# Altium PCB LST_UP.PcbDoc (part 3 of 5)
Units mil, origin at the board's own origin, x right, y up, seen from the top; angles counter-clockwise.
Board outline 4330.71 x 4330.71 mil, 2 copper layers (Top Layer, Bottom Layer), stack 50 mil thick; 469 components, 244 nets, 1341 pads, 130 vias.
Unrouted connection lines stored in the file: 12.
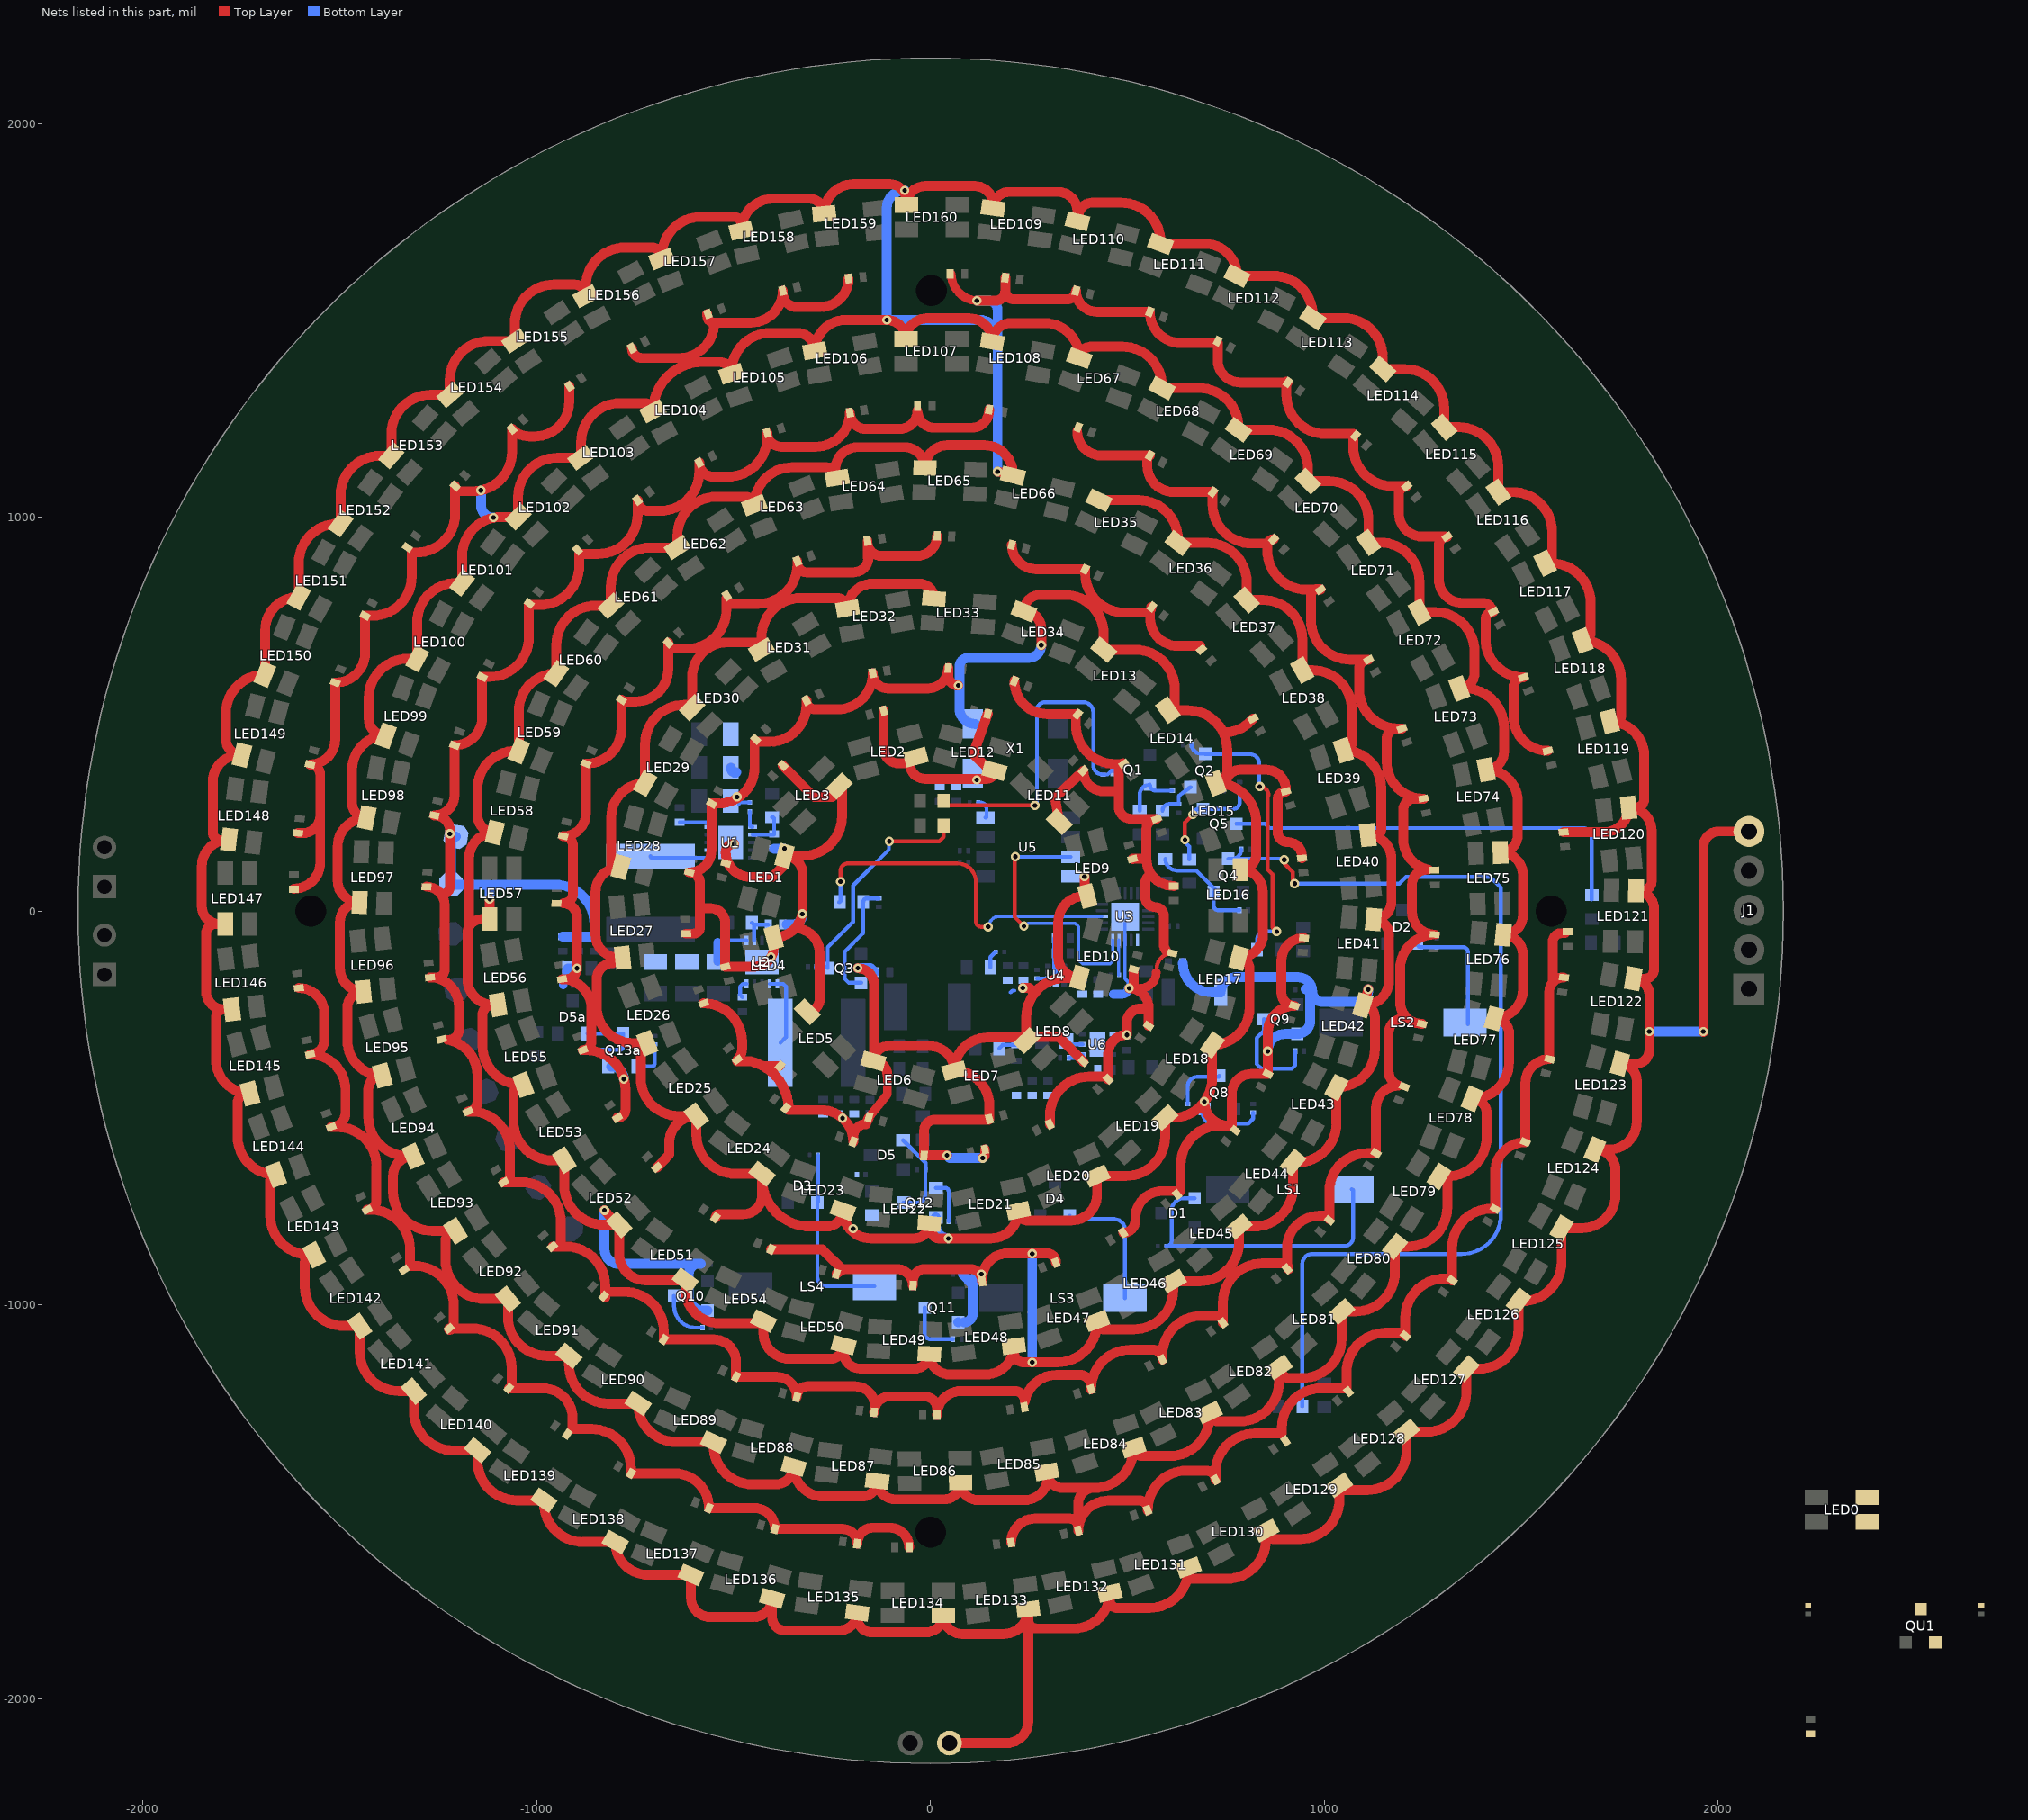
[diagram p3: the nets of this part, all layers, seen from the top]

## Via types
v1: diameter 23.62, hole 11.81, Top Layer to Bottom Layer, tented top, 95 vias
v2: diameter 23.62, hole 11.81, Top Layer to Bottom Layer, 35 vias

## Nets (pads, with @x,y where several pads share a name; then routed paths per layer and width w, separated by ;. In a path a pad name is that pad's centre, name@x,y a point inside that pad or via, vN(x,y) a via of type N, cw(c..) or ccw(c..) an arc to the next point about the centre after c; other vN are vias at no path point) (continued)
GND: C1.1 C2.1 C3.1 C4.1 C5.1 C6.1 C7.2 C8.2 C9.1 C10.1 C11.1 C12.1 C13.1 C14.2 C15.2 C16.2 C17.2 C18.2 C19.2 C20.2 C21.2 C22.2 C23.2 C24.2 C25.1 C26.1 C27.1 C28.1 C29.1 C30.1 C31.1 C32.1 C33.1 C34.1 C35.1 C36.1 C37.1 C38.1 C39.1 C40.1 C41.1 C42.1 C43.1 C44.1 C45.1 C46.1 C47.1 C48.1 C49.1 C50.1 C51.1 C52.1 C53.1 C54.1 C55.1 C56.1 C57.1 C58.1 C59.1 C60.1 C61.1 C62.1 C63.1 C64.1 C65.1 C66.1 C67.1 C68.1 C69.1 C70.1 C71.1 C72.1 C73.1 C74.1 C75.1 C76.1 C77.1 C78.1 C79.1 C80.1 C81.1 C82.1 C83.1 C84.1 C85.1 C86.1 C87.1 C88.1 C89.1 C90.1 C91.1 C92.1 C93.1 C94.1 C95.1 C96.1 C97.1 C98.1 C99.1 C100.1 C101.1 C102.1 C103.1 C104.1 C105.1 C106.1 C107.1 C108.1 C109.1 C110.1 C111.1 C112.1 C113.1 C114.1 C115.1 C116.1 C117.1 C118.1 C119.1 C120.1 C121.1 C122.1 C123.1 C124.1 C125.1 C126.1 C127.1 C128.1 C129.1 C130.1 C131.1 C132.1 C133.1 C134.1 C135.1 C136.1 C137.1 C138.1 C139.1 C140.1 C141.1 C142.1 C143.1 C144.1 C145.1 C146.1 C147.1 C148.1 C149.1 C150.1 C151.1 C152.1 C153.1 C154.1 C155.1 C156.1 C157.1 C158.1 C159.1 C160.1 C161.1 C162.1 C163.1 C164.1 C165.1 C166.1 C167.1 C168.1 C169.1 C170.1 C171.1 C172.1 C173.1 C174.1 C175.1 C176.1 C177.1 C178.1 C179.1 C180.1 C181.1 C182.1 C183.1 C184.1 C185.1 C186.1 C187.1 C188.1 C189.1 C190.1 C191.1 C192a.1 J1.5 J2.2 LED0.3 LED1.3 LED2.3 LED3.3 LED4.3 LED5.3 LED6.3 LED7.3 LED8.3 LED9.3 LED10.3 LED11.3 LED12.3 LED13.3 LED14.3 LED15.3 LED16.3 LED17.3 LED18.3 LED19.3 LED20.3 LED21.3 LED22.3 LED23.3 LED24.3 LED25.3 LED26.3 LED27.3 LED28.3 LED29.3 LED30.3 LED31.3 LED32.3 LED33.3 LED34.3 LED35.3 LED36.3 LED37.3 LED38.3 LED39.3 LED40.3 LED41.3 LED42.3 LED43.3 LED44.3 LED45.3 LED46.3 LED47.3 LED48.3 LED49.3 LED50.3 LED51.3 LED52.3 LED53.3 LED54.3 LED55.3 LED56.3 LED57.3 LED58.3 LED59.3 LED60.3 LED61.3 LED62.3 LED63.3 LED64.3 LED65.3 LED66.3 LED67.3 LED68.3 LED69.3 LED70.3 LED71.3 LED72.3 LED73.3 LED74.3 LED75.3 LED76.3 LED77.3 LED78.3 LED79.3 LED80.3 LED81.3 LED82.3 LED83.3 LED84.3 LED85.3 LED86.3 LED87.3 LED88.3 LED89.3 LED90.3 LED91.3 LED92.3 LED93.3 LED94.3 LED95.3 LED96.3 LED97.3 LED98.3 LED99.3 LED100.3 LED101.3 LED102.3 LED103.3 LED104.3 LED105.3 LED106.3 LED107.3 LED108.3 LED109.3 LED110.3 LED111.3 LED112.3 LED113.3 LED114.3 LED115.3 LED116.3 LED117.3 LED118.3 LED119.3 LED120.3 LED121.3 LED122.3 LED123.3 LED124.3 LED125.3 LED126.3 LED127.3 LED128.3 LED129.3 LED130.3 LED131.3 LED132.3 LED133.3 LED134.3 LED135.3 LED136.3 LED137.3 LED138.3 LED139.3 LED140.3 LED141.3 LED142.3 LED143.3 LED144.3 LED145.3 LED146.3 LED147.3 LED148.3 LED149.3 LED150.3 LED151.3 LED152.3 LED153.3 LED154.3 LED155.3 LED156.3 LED157.3 LED158.3 LED159.3 LED160.3 P7.1 P9.1 Q8.2 Q9.2 Q10.2 Q11.2 Q12.2 Q13a.2 R14.2 R16.2 R24.2 R25.2 R26.2 R27.2 R34.1 R35a.1 SW1.2 U1.11 U2.11 U3.3 U3.21 U4.5 U4.9 U5.4 U6.1 U6.7 X1.2 X1.3 | length 83667.3
  Top Layer w10: C85.1@-936,-172.61 C85.1@-925.61,-172.61 ; -427.17,-392.59 -427.17,-393.06 -426.3,-393.06 ; v1(504.17,-195.61) 532.89,-195.61 ; 534,-247 537.61,-247 ; 574,-146.61 cw(c614,-146.61) C46.1@614,-106.61
  Top Layer w22: C35.1@-156.78,-523.51 -109.67,-464.94 -109.67,-416.52 ; C138.1@52.5,1618.39 ccw(c120.5,1618.39) v1@120.5,1550.39 ; 532.89,-195.61 ccw(c532.89,-155.5) 573,-155.5
  Top Layer w25: -1803,180.39 cw(c-1803,200.39) -1823,200.39 -1823,328.39 cw(c-1755.32,328.39) -1755.32,396.07 LED149.3@-1748.75,396.07 cw(c-1748.75,437.06) -1789.74,437.06 -1789.74,501.46 cw(c-1690.02,501.46) LED150.3@-1690.02,601.18 -1690.02,712.48 cw(c-1604.51,712.48) LED151.3@-1604.51,798 -1604.51,883.95 cw(c-1504.51,883.95) -1504.51,983.95 LED152.3@-1498.32,983.95 -1498.32,1056.22 cw(c-1398.32,1056.22) -1398.32,1156.22 LED153.3@-1369.32,1156.22 -1369.32,1211.5 cw(c-1269.32,1211.5) -1269.32,1311.5 LED154.3@-1221.13,1311.5 -1221.13,1348.07 cw(c-1121.13,1348.07) -1121.13,1448.07 LED155.3@-1055.92,1448.07 -1055.92,1491.39 cw(c-955.92,1491.39) -955.92,1591.39 -905.46,1591.39 cw(c-905.46,1561.54) LED156.3@-875.61,1561.54 -875.61,1585.39 cw(c-775.61,1585.39) -775.61,1685.39 -708.1,1685.39 cw(c-708.1,1659.71) LED157.3@-682.42,1659.71 ; LED147.3@-1791.1,-32.67 LED147.3@-1805.06,-32.67 ; LED148.3@-1781.74,182.09 ccw(c-1781.74,112.83) -1851,112.83 -1851,13.28 ccw(c-1805.06,13.28) LED147.3@-1805.06,-32.67 ; C177.1@-1617,56.87 ccw(c-1617,123.87) -1550,123.87 -1550,242.39 ; C178.1@-1606.25,198.03 -1594.36,198.03 ccw(c-1594.36,242.39) -1550,242.39 ; C176.1@-1604,-194.97 cw(c-1604,-258.97) -1540,-258.97 -1540,-327.8 cw(c-1575.84,-327.8) C175.1@-1575.84,-363.64 cw(c-1575.84,-453.47) -1486,-453.47 -1486,-512.32 cw(c-1521.67,-512.32) C174.1@-1521.67,-547.99 -1507.21,-547.99 cw(c-1507.21,-647.99) -1407.21,-647.99 -1407.21,-734.7 cw(c-1430.6,-734.7) C173.1@-1430.6,-758.09 -1422.03,-758.09 cw(c-1422.03,-858.09) -1322.03,-858.09 -1322.03,-900.58 -1311,-900.58 cw(c-1311,-1000.58) -1211,-1000.58 -1211,-1051.26 cw(c-1222.86,-1051.26) C171.1@-1214.38,-1059.56 ; LED143.3@-1565.4,-872.58 LED143.3@-1569.97,-872.58 ; C126.1@-1279.97,61.91 cw(c-1279.97,15.95) -1242.29,42.28 ; C171.1@-1222.86,-1063.13 ccw(c-1222.86,-1051.26) C171.1@-1214.38,-1059.56 ; C171.1@-1222.86,-1059.56 C171.1@-1214.38,-1059.56 ; C183.1@-1207.38,1079.64 -1207.38,1008.56 cw(c-1305,1008.56) -1305,910.94 -1317.59,910.94 -1317.59,850.21 cw(c-1417.59,850.21) -1417.59,750.21 C181.1@-1435.97,750.21 -1435.97,656.2 cw(c-1511.93,656.2) C180.1@-1511.93,580.24 -1511.93,436.38 cw(c-1575.79,436.38) C179.1@-1575.79,372.52 cw(c-1575.79,346.73) -1550,346.73 -1550,242.39 ; -1198.18,1066.39 -1162.96,1066.39 ccw(c-1162.96,1166.39) v1@-1142,1068.61 ; -1172,-35.61 -1172,134.3 cw(c-1106.83,134.3) LED58.3@-1106.83,199.47 cw(c-1106.83,243.19) -1150.54,243.19 -1150.54,310.27 cw(c-1053.7,310.27) -1053.7,407.11 LED59.3@-1045.86,407.11 -1045.86,507.69 cw(c-950.11,507.69) LED60.3@-950.11,603.44 -950.11,675.91 cw(c-850.11,675.91) -850.11,775.91 LED61.3@-812.05,775.91 -812.05,823.31 cw(c-712.05,823.31) -712.05,923.31 LED62.3@-643.09,923.31 -643.09,952.39 cw(c-543.09,952.39) -543.09,1052.39 -468.87,1052.39 cw(c-468.87,1031.04) LED63.3@-447.52,1031.04 cw(c-351.17,1031.04) -351.17,1127.39 -264.34,1127.39 cw(c-264.34,1100.01) LED64.3@-236.95,1100.01 ; v1@-1142,1068.65 v1(-1141.84,1068.65) ccw(c-1162.96,1166.39) -1062.96,1166.39 C184.1@-1062.96,1224.25 ccw(c-1017.42,1269.79) -1017.42,1205.39 -1006,1205.39 ccw(c-1006,1293.78) -917.61,1293.78 C185.1@-917.61,1333.04 ; v1(-1120,30.39) LED57.3@-1120.1,-20.18 -1140.57,-20.18 ccw(c-1140.57,-55.61) -1176,-55.61 -1176,-172.61 ccw(c-1111,-172.61) -1111,-237.61 ccw(c-1111,-264.61) -1138,-264.61 -1138,-340.92 ccw(c-1038,-340.92) -1038,-440.92 LED55.3@-1034.14,-440.92 ccw(c-1034.14,-465.94) -1059.16,-465.94 -1059.16,-532.85 ccw(c-959.16,-532.85) -959.16,-632.85 LED53.3@-930.3,-632.85 -930.3,-696.04 ccw(c-830.3,-696.04) -830.3,-796.04 LED52.3@-794.24,-796.04 ; C170.1@-1071.04,-1211.75 C170.1@-1067.47,-1211.75 ; LED102.3@-1054.62,1001.08 -1089.7,1001.08 ccw(c-1089.7,901.08) -1189.7,901.08 LED101.3@-1189.7,833.54 -1203.77,833.54 ccw(c-1203.77,733.54) -1303.77,733.54 LED100.3@-1303.77,640.98 -1327,640.98 ccw(c-1327,540.98) -1427,540.98 -1427,489.04 ccw(c-1383.31,489.04) LED99.3@-1383.31,445.35 ccw(c-1383.31,359.66) -1469,359.66 -1469,274.09 ccw(c-1431.85,274.09) LED98.3@-1431.85,236.94 ccw(c-1431.85,162.79) -1506,162.79 -1506,78.13 ccw(c-1449.98,78.13) LED97.3@-1449.98,22.12 ccw(c-1449.98,-27.9) -1500,-27.9 -1500,-144.26 ccw(c-1440.18,-144.26) LED96.3@-1440.18,-204.07 ccw(c-1440.18,-244.89) -1481,-244.89 -1481,-328.36 ccw(c-1392.33,-328.36) LED95.3@-1392.33,-417.03 ccw(c-1392.33,-452.7) -1428,-452.7 -1428,-521.88 ccw(c-1328,-521.88) -1328,-621.88 LED94.3@-1314.3,-621.88 ccw(c-1314.3,-672.58) -1365,-672.58 -1365,-711.85 ccw(c-1265,-711.85) -1265,-811.85 LED93.3@-1206.16,-811.85 ccw(c-1206.16,-837.69) -1232,-837.69 -1232,-884.96 ccw(c-1132,-884.96) -1132,-984.96 LED92.3@-1073.32,-984.96 -1073.32,-1029.33 ccw(c-973.32,-1029.33) -973.32,-1129.33 LED91.3@-918.54,-1129.33 -918.54,-1150.44 ccw(c-818.54,-1150.44) -818.54,-1250.44 LED90.3@-742.79,-1250.44 ccw(c-645.14,-1250.44) -645.14,-1348.09 LED89.3@-551.63,-1348.09 -551.63,-1355.61 ccw(c-451.63,-1355.61) -451.63,-1455.61 -393.85,-1455.61 ccw(c-393.85,-1409.93) LED88.3@-348.18,-1409.93 ccw(c-271.5,-1409.93) -271.5,-1486.61 -174.96,-1486.61 ccw(c-174.96,-1447.35) LED87.3@-135.7,-1447.35 ccw(c-89.44,-1447.35) -89.44,-1493.61 34.07,-1493.61 ccw(c34.07,-1451.58) LED86.3@76.1,-1451.58 ccw(c120.13,-1451.58) 120.13,-1495.61 238.07,-1495.61 ccw(c238.07,-1436.58) 297.1,-1436.58 ccw(c336,-1423.61) 336,-1464.61 415.02,-1464.61 ; LED102.3@-1047.31,1001.08 -1047.31,1051.6 cw(c-947.31,1051.6) -947.31,1151.6 LED103.3@-887.52,1151.6 -887.52,1190.3 cw(c-787.52,1190.3) -787.52,1290.3 -725.37,1290.3 cw(c-725.37,1269.54) LED104.3@-704.61,1269.54 cw(c-579.76,1269.54) -579.76,1394.39 -535.41,1394.39 cw(c-535.41,1364.79) LED105.3@-505.81,1364.79 -505.81,1368.71 cw(c-405.81,1368.71) -405.81,1468.71 -339.89,1468.71 cw(c-339.89,1422.81) LED106.3@-293.99,1422.81 cw(c-215.4,1422.81) -215.4,1501.39 v1(-111.46,1501.39) cw(c-111.46,1452.49) LED107.3@-62.57,1452.49 cw(c-9.67,1452.49) -9.67,1505.39 97.66,1505.39 cw(c97.66,1446.23) LED108.3@156.81,1446.23 cw(c203.97,1446.23) 203.97,1493.39 289.27,1493.39 cw(c289.27,1404.7) LED67.3@377.96,1404.7 cw(c406.65,1404.7) 406.65,1433.39 487.59,1433.39 cw(c487.59,1333.39) 587.59,1333.39 LED68.3@587.59,1328.16 682.05,1328.16 cw(c682.05,1228.16) 782.05,1228.16 LED69.3@782.05,1222.5 858.34,1222.5 cw(c858.34,1122.5) 958.34,1122.5 LED70.3@958.34,1099.35 ; C130.1@-1020.13,775.95 -1020.13,695.06 cw(c-1120.13,695.06) -1120.13,595.06 C129.1@-1138.69,595.06 -1138.69,491.7 cw(c-1209,491.7) C128.1@-1209,421.39 -1209,294.53 cw(c-1260.16,294.53) C127.1@-1260.16,243.36 cw(c-1260.16,203.2) -1220,203.2 -1220,64.57 cw(c-1242.29,64.57) -1242.29,42.28 ; C130.1@-1020.13,777.61 -992.16,777.61 ccw(c-992.16,877.61) -892.16,877.61 -892.16,907.39 -843.97,907.39 ccw(c-843.97,1007.39) -743.97,1007.39 C132.1@-743.97,1043.52 ccw(c-716.84,1043.52) -716.84,1016.39 -687.48,1016.39 ccw(c-687.48,1116.39) -587.48,1116.39 C133.1@-587.48,1138.99 ccw(c-551.88,1138.99) -551.88,1103.39 -514.93,1103.39 ccw(c-514.93,1203.39) -414.93,1203.39 C134.1@-414.93,1214.27 ; C121.1@-960,-851.61 -926.04,-851.61 cw(c-926.04,-951.61) -826.04,-951.61 C120.1@-826.04,-980.75 ; -939,-838.61 -939,-788.2 ccw(c-1039,-788.2) -1039,-688.2 C122.1@-1084.2,-688.2 ccw(c-1084.2,-672) -1068,-672 -1068,-608.62 ccw(c-1168,-608.62) -1168,-508.62 -1174.65,-508.62 ccw(c-1174.65,-484.97) -1151,-484.97 -1151,-415.83 ccw(c-1241.35,-415.83) -1225.87,-326.82 -1223.21,-326.82 ccw(c-1223.21,-301.61) -1198,-301.61 -1198,-241.11 ccw(c-1271.07,-241.11) C125.1@-1271.07,-168.04 -1253.43,-168.04 ccw(c-1253.43,-148.61) -1234,-148.61 -1234,15.95 ccw(c-1279.97,15.95) -1242.29,42.28 ; C85.1@-936,-172.61 cw(c-936,-247.61) -861,-247.61 -861,-331.32 cw(c-882.67,-331.32) C84.1@-882.67,-352.99 -875,-352.99 cw(c-875,-452.99) -775,-452.99 -775,-504.32 cw(c-795,-504.32) C83.1@-795,-524.32 ; C85.1@-925.61,-172.61 ccw(c-925.61,-145) v2(-898,-145) -898,-14.49 ccw(c-932.44,-14.49) -932.44,19.95 ccw(c-932.44,44.39) -908,44.39 -908,165.39 ccw(c-933,165.39) C87.1@-933,190.39 ccw(c-933,248.16) -875.23,248.16 C88.1@-875.23,374.36 ccw(c-875.23,464.51) -785.08,464.51 C89.1@-785.08,532.36 ; v1(-828,-759.61) LED52.3@-794.24,-796.04 ; -818,-966.74 -777,-966.74 cw(c-777,-1066.26) -677.48,-1066.26 C119.1@-677.48,-1087.69 -550.83,-1087.69 cw(c-550.83,-1144.28) -494.23,-1144.28 C118.1@-494.23,-1182.43 -391.5,-1182.43 cw(c-391.5,-1233.71) C117.1@-340.22,-1233.71 cw(c-313.12,-1233.71) -313.12,-1206.61 -192.71,-1206.61 cw(c-192.71,-1257.88) -141.44,-1257.88 ; C89.1@-785.08,536.27 C89.1@-785.08,532.36 ; C186.1@-758.33,1429.7 ccw(c-733.33,1429.7) -733.33,1404.7 -639.18,1404.7 ccw(c-639.18,1494.39) -549.49,1494.39 ; C82.1@-695,-650.61 -664,-617.85 -664,-588.91 cw(c-594.98,-588.91) LED25.3@-594.98,-519.89 ; LED157.3@-682.42,1656.29 LED157.3@-682.42,1659.71 ; C90.1@-666.31,681.37 C90.1@-666.31,670.16 ; LED51.3@-623.15,-937.31 LED51.3@-623.15,-937.61 ; C56.1@-621.03,-57.09 -602.19,-57.09 ccw(c-602.19,-40.61) -585.72,-40.61 -585.72,7.39 ; LED30.3@-605.65,516.73 LED30.3@-605.65,524.04 ; C55.1@-576.37,-233.88 cw(c-576.37,-331.25) -479,-331.25 -479,-348.74 cw(c-519.51,-348.74) C54.1@-490.87,-377.39 ; C187.1@-567.32,1516.76 -567.32,1512.22 ccw(c-549.49,1512.22) -549.49,1494.39 ; C58.1@-556.5,270.72 -556.5,154.89 cw(c-613,154.89) C57.1@-613,98.39 cw(c-613,71.11) -585.72,71.11 -585.72,7.39 ; C58.1@-556.5,273.35 -538.53,273.35 ccw(c-538.53,364.8) -447.08,364.8 -447.08,430.31 -408.42,430.31 ccw(c-408.42,523.24) -315.48,523.24 C60.1@-315.48,534.99 ccw(c-292.88,534.99) -292.88,512.39 -237.46,512.39 ccw(c-237.46,602.78) -170.79,541.75 ccw(c-237.46,602.78) -147.07,602.78 C61.1@-147.07,604.18 ccw(c-108.59,604.18) -108.59,565.7 -7.11,565.7 ccw(c-7.11,617.36) C62.1@44.55,617.36 44.55,598.62 ccw(c70,598.62) v1(70,573.17) ; C81.1@-545.78,-778.22 cw(c-537.16,-778.22) -537.16,-769.61 -476,-769.61 ccw(c-476,-721.88) -428.27,-721.88 LED24.3@-428.27,-677.96 ; v1(-499,170.39) -499,171.39 ccw(c-499,149.84) -520.55,149.84 ccw(c-457.1,149.84) -512.49,118.89 ccw(c-457.1,149.84) -457.1,86.39 -402,86.39 -371.25,117.14 LED1.3@-371.25,140.71 ; C54.1@-490.87,-379.05 -490.87,-381 -457.74,-381 cw(c-486.92,-504.09) -427.17,-392.59 ; -427.3,-393.06 -427.17,-393.06 ; C134.1@-414.93,1214.67 ccw(c-379.64,1214.67) -379.64,1179.39 -292.01,1179.39 ccw(c-292.01,1266.18) C135.1@-205.22,1266.18 ccw(c-163.29,1266.18) -163.29,1224.25 -80,1224.25 ccw(c-80,1270.75) -33.5,1270.75 ccw(c9.75,1270.75) 9.75,1227.5 104,1227.5 ccw(c104,1272.07) 141.84,1248.53 ccw(c104,1272.07) 148.56,1272.07 C137.1@148.56,1273.96 ; C80.1@-405.23,-858.43 -275.57,-858.43 -226.17,-907.83 ; C34.1@-383.17,-393.06 -426.3,-393.06 cw(c-486.92,-504.09) -360.42,-505 -277.55,-505 cw(c-277.55,-585.94) v2(-223.51,-525.68) ; C31.1@-375.92,369.72 -295.59,289.39 -250,289.39 LED3.3@-225.04,314.35 ; C92.1@-338.54,889.13 C92.1@-338.54,884.93 ; LED5.3@-313.66,-255.27 ccw(c-313.66,-223.61) -282,-223.61 -282,-105.54 ccw(c-344.3,-105.54) -344.3,-43.24 ; LED5.3@-313.66,-247.96 LED5.3@-313.66,-244.61 ; -242,1121.39 cw(c-185,1121.39) -185,1178.39 -67.11,1178.39 cw(c-67.11,1125.73) LED65.3@-14.44,1125.73 cw(c43.22,1125.73) 43.22,1183.39 136,1183.39 cw(c136,1110.51) 208.88,1110.51 LED66.3@208.88,1106.19 v1(170,1116.39) ; C79.1@-239.13,-920.79 cw(c-209.73,-950.19) -209.73,-908.61 -86.99,-908.61 cw(c-86.99,-950.55) C78.1@-45.05,-950.55 -45.05,-939.05 cw(c-15,-939.05) -15,-909 100.39,-909 cw(c100.39,-939.61) C77.1@131,-939.61 ; LED50.3@-232.8,-1102.36 LED50.3@-232.8,-1098.52 ; LED3.3@-225.04,318.05 LED3.3@-225.04,314.35 ; v2@-223.51,-525.61 v2(-223.51,-525.68) ; C189.1@-208.4,1606.46 cw(c-280.46,1606.46) -280.46,1534.39 -340,1534.39 cw(c-340,1569.99) -375.6,1569.99 C188.1@-375.6,1575.91 cw(c-457.12,1575.91) -457.12,1494.39 -549.49,1494.39 ; v2(-185,-144.61) cw(c-185,-185.67) -143.94,-185.67 LED6.3@-143.94,-370.91 ; C93.1@-160.31,940.5 C93.1@-160.31,936.7 ; C35.1@-156.78,-523.51 -164,-540.61 ccw(c-164,-573.23) -196.62,-573.23 C52.1@-196.62,-585.94 ccw(c-277.55,-585.94) v2(-223.51,-525.68) ; C116.1@-143.64,-1272.87 cw(c-102.77,-1272.87) -102.77,-1232 -16.49,-1232 cw(c-16.49,-1265) 16.51,-1265 ; C30.1@-119.13,509.18 -119.13,413.52 ccw(c-81,413.52) -81,375.39 -53.2,375.39 ccw(c-13.7,375.39) -13.7,335.88 141.56,335.88 ccw(c141.56,356.64) LED12.3@162.32,356.64 150.75,356.64 108,399.39 C41.1@145,501.39 ; -109.67,-416.52 ccw(c-145.27,-416.52) LED6.3@-145.27,-380.92 cw(c-106.97,-380.92) LED6.3@-143.94,-370.91 ; LED160.3@-61.57,1793.49 cw(c-13.67,1793.49) -13.67,1841.39 112.44,1841.39 cw(c112.44,1795.44) 158.39,1795.44 LED109.3@158.39,1785.18 cw(c199.6,1785.18) 199.6,1826.39 324,1826.39 cw(c324,1777.91) 372.48,1777.91 LED110.3@372.48,1752.19 ; LED160.3@-61.57,1803.96 ccw(c-104,1803.96) -104,1846.39 -195.15,1846.39 ccw(c-195.15,1771.07) LED159.3@-270.46,1771.07 ccw(c-308.78,1771.07) -308.78,1809.39 -399.69,1809.39 ccw(c-399.69,1728.17) LED158.3@-480.91,1728.17 -480.91,1744.3 ccw(c-500,1744.3) -500,1763.39 -582.42,1763.39 ccw(c-582.42,1663.39) -682.42,1663.39 LED157.3@-682.42,1659.71 ; C164.1@-54.5,-1615.61 ccw(c-104.5,-1615.61) -56.87,-1600.4 ccw(c-104.5,-1615.61) -104.5,-1565.61 -145.69,-1565.61 ccw(c-145.69,-1606.19) C165.1@-186.26,-1606.19 ccw(c-223.74,-1606.19) -223.74,-1568.71 C166.1@-395.22,-1568.71 ccw(c-448.09,-1568.71) -448.09,-1515.84 C167.1@-562.97,-1515.84 ccw(c-651.23,-1515.84) -651.23,-1427.58 C168.1@-760.82,-1427.58 -760.82,-1415.11 ccw(c-860.82,-1415.11) -860.82,-1315.11 -909,-1315.11 -909,-1287.61 ccw(c-984.86,-1287.61) -984.86,-1211.75 C170.1@-1067.47,-1211.75 ; LED22.3@-3.39,-793.22 cw(c-41.17,-793.22) -41.17,-831 -151.88,-831 cw(c-151.88,-759.92) LED23.3@-222.96,-759.92 cw(c-263.65,-759.92) -263.65,-800.61 -305.62,-800.61 cw(c-305.62,-677.96) LED24.3@-428.27,-677.96 ; 4,-813.99 ccw(c21.01,-813.99) 21.01,-831 v2(45,-831) 152.23,-831 ccw(c152.23,-760.61) LED21.3@222.62,-760.61 ccw(c247.62,-760.61) 247.62,-785.61 356.52,-785.61 ccw(c356.52,-719.47) 422.66,-719.47 LED20.3@422.66,-672.51 495.43,-672.51 ccw(c495.43,-572.51) 595.43,-572.51 LED19.3@595.43,-524.32 615,-524.32 ccw(c615,-424.32) v1@695,-484.32 ; LED33.3@8.76,793.92 ccw(c-28.98,793.92) -28.98,831.66 -147.13,831.66 ccw(c-147.13,767.81) LED32.3@-210.99,767.81 ccw(c-238.28,767.81) -238.28,795.1 -329.47,795.1 ccw(c-329.47,695.1) -429.47,695.1 LED31.3@-429.47,664.04 ccw(c-447.82,664.04) -447.82,682.39 -516,682.39 ccw(c-516,592.74) -605.65,592.74 LED30.3@-605.65,524.04 ; C115.1@16.5,-1279.61 cw(c77.37,-1279.61) 77.37,-1218.74 212.84,-1218.74 cw(c212.84,-1245.34) 239.44,-1245.34 cw(c320.01,-1259.4) 320.01,-1177.61 378.25,-1177.61 cw(c378.25,-1206.96) 407.59,-1206.96 C113.1@407.59,-1213.61 ; C94.1@16.51,953.04 cw(c-34.13,953.04) -34.13,902.39 -126,902.39 cw(c-126,936.7) C93.1@-160.31,936.7 ; v1(41.61,-620.22) C51.1@-16.57,-620.22 -16.57,-557.18 cw(c11,-557.18) 11,-529.61 146.92,-529.61 ccw(c146.92,-527.4) C36.1@149.13,-527.4 149.13,-493.91 ccw(c60.17,-493.91) LED7.3@60.17,-404.95 ; J2.2@48,-2112.61 192.88,-2112.61 ccw(c192.88,-2057.61) 247.88,-2057.61 247.88,-1809.48 ccw(c240.53,-1809.48) 240.53,-1802.14 ; v1(117.5,1550.39) 120.5,1550.39 164.36,1550.39 ccw(c164.36,1575.71) 189.68,1575.71 ; C77.1@131,-934.56 cw(c196.95,-934.56) 196.95,-868.61 294.71,-868.61 cw(c294.71,-892.28) C76.1@318.38,-892.28 ; v1(132.16,-627.02) 138.1,-621.09 C50.1@138.1,-604.76 ; C139.1@189.68,1608.96 189.68,1575.71 ; C163.1@204.36,-1603.36 cw(c265.11,-1603.36) 265.11,-1542.61 353,-1542.61 cw(c353,-1564.64) C162.1@375.03,-1564.64 ; C95.1@206.1,930.34 ccw(c267.94,930.34) 267.94,868.5 C64.1@392.37,868.5 392.37,858.39 ccw(c492.37,858.39) 492.37,758.39 546.3,758.39 ccw(c546.3,772.66) C65.1@557.45,763.76 ; C63.1@212.85,584.32 ccw(c296.89,584.32) 296.89,500.28 C42.1@368.83,500.28 ; v2(234,-194.97) 250.97,-194.97 264,-208 ; LED8.3@244.35,-328.27 253.01,-319.61 325.84,-319.61 C37.1@387.92,-381.69 ; v1(281,675.39) 281,717.2 ccw(c236.79,717.2) LED34.3@236.79,761.41 cw(c278.76,761.41) 278.76,803.39 339.53,803.39 cw(c339.53,703.39) 439.53,703.39 LED13.3@439.53,663.72 520,663.72 cw(c520,563.72) 620,563.72 620,527.68 cw(c602.44,527.68) LED14.3@602.44,510.12 653,510.12 cw(c653,410.12) 743.1,453.51 ; C49.1@302.77,-540.79 302.77,-520.06 cw(c402.77,-520.06) 402.77,-420.06 C48.1@449.95,-420.06 ; LED11.3@326.66,226.74 316,288.39 C40.1@388,356.64 ccw(c440.25,356.64) 440.25,304.39 478.04,304.39 ; C42.1@370.74,500.28 C42.1@368.83,500.28 ; C96.1@372.37,1218.52 ccw(c433.81,1218.52) 433.81,1157.07 C97.1@556.67,1157.07 ccw(c556.67,1150.41) 550,1150.41 550,1132.39 ccw(c618.13,1132.39) 618.13,1064.26 C98.1@715.84,1064.26 ; LED110.3@375.5,1764.65 cw(c410.24,1764.65) 410.24,1799.39 483.87,1799.39 cw(c483.87,1699.39) 543.87,1779.39 cw(c483.87,1699.39) 583.87,1699.39 LED111.3@583.87,1694.56 697.06,1694.56 cw(c697.06,1613.44) LED112.3@778.18,1613.44 870.37,1613.44 cw(c870.37,1513.44) 970.37,1513.44 LED113.3@970.37,1506.28 1047.83,1506.28 cw(c1047.83,1406.28) 1147.83,1406.28 LED114.3@1147.83,1376.71 1204.11,1376.71 cw(c1204.11,1276.71) 1304.11,1276.71 LED115.3@1304.11,1229.05 1341.44,1229.05 cw(c1341.44,1129.05) 1441.44,1129.05 LED116.3@1441.44,1064.12 1478,1064.12 cw(c1478,964.12) 1578,964.12 1578,901.07 cw(c1560.37,901.07) LED117.3@1560.37,883.45 1576,883.45 cw(c1576,783.45) 1676,783.45 1676,705.39 cw(c1657.66,705.39) 1657.66,687.05 LED118.3@1655.83,687.05 cw(c1655.83,589.88) 1753,589.88 1753,494.39 cw(c1740.17,494.39) 1740.17,481.56 LED119.3@1724.56,481.56 cw(c1724.56,394.12) 1812,394.12 1812,284.39 cw(c1790.46,284.39) 1790.46,262.85 LED120.3@1772.18,262.85 ; v2@391.25,87.89 LED9.3@391.25,38.54 ; LED9.3@397.75,38.54 LED9.3@391.25,38.54 ; C113.1@407.59,-1213.89 C113.1@407.59,-1213.61 ; LED47.3@422.31,-1040.75 LED47.3@422.31,-1043.5 ; LED35.3@427.6,1043.65 528.15,1043.65 cw(c528.15,943.65) 628.15,943.65 LED36.3@628.15,935.09 702.91,935.09 cw(c702.91,835.09) 802.91,835.09 LED37.3@802.91,790.18 843.9,790.18 cw(c843.9,690.18) 943.9,690.18 LED38.3@943.9,611.94 969.55,611.94 cw(c969.55,511.94) 1069.55,511.94 1069.55,429.33 cw(c1048.63,429.33) LED39.3@1048.63,408.41 cw(c1048.63,313.04) 1144,313.04 1144,206.39 cw(c1130.46,206.39) 1130.46,192.85 LED40.3@1110.18,192.85 cw(c1110.18,133.04) 1170,133.04 1170,24.39 cw(c1124.61,24.39) LED41.3@1124.61,-21 cw(c1124.61,-60.39) 1164,-60.39 1164,-175.61 cw(c1100.65,-175.61) 1100.65,-238.96 LED42.3@1097.62,-238.96 ; C48.1@451,-426.61 451,-361.29 cw(c498.29,-361.29) v2(498.29,-314) 498.29,-282.71 cw(c534,-282.71) 534,-247 ; C75.1@489,-816.61 ccw(c489,-785.61) 520,-785.61 520,-779.61 cw(c588.89,-779.61) 588.89,-710.72 632.17,-710.72 ; C39.1@513,132.39 513,132.89 548,132.89 ; C38.1@516.21,-156.61 516.21,-183.57 cw(c504.17,-183.57) v1(504.17,-195.61) cw(c504.17,-245.05) 553.61,-245.05 553.61,-263 ; 537.61,-247 cw(c537.61,-263) 553.61,-263 ; C161.1@551.38,-1521.28 C161.1@551.38,-1520.61 ; C47.1@553.61,-290.72 553.61,-263 ; C65.1@560.56,772.66 cw(c546.3,772.66) C65.1@557.45,763.76 ; 597.84,-99.47 cw(c614,-84.76) 592.15,-84.76 592.15,-11.76 ccw(c570,-11.76) 570,10.39 cw(c570,35.39) 545,35.39 545,72.21 cw(c562.88,72.21) 562.88,90.09 ; C45.1@617,63.89 cw(c617,132.89) 562.88,90.09 ; 635.26,-710.72 635.26,-644.46 cw(c735.26,-644.46) 735.26,-544.46 755.85,-544.46 ; LED131.3@655.18,-1685.1 ccw(c665.69,-1685.1) 665.69,-1695.61 751.61,-1695.61 ccw(c751.61,-1595.61) 851.61,-1595.61 LED130.3@851.61,-1572.76 ccw(c873.46,-1572.76) 873.46,-1594.61 938.13,-1594.61 ccw(c938.13,-1494.61) 1038.13,-1494.61 LED129.3@1038.13,-1470.17 ; LED131.3@655.18,-1669.61 cw(c555.18,-1669.61) 555.18,-1769.61 474,-1769.61 cw(c474,-1750.35) 454.74,-1750.35 LED132.3@454.74,-1730.83 cw(c363.96,-1730.83) 363.96,-1821.61 269,-1821.61 cw(c269,-1800.49) 247.88,-1800.49 LED133.3@247.88,-1772.61 cw(c184.88,-1772.61) 240.53,-1802.14 ; C66.1@685.23,667.87 685.23,673.39 628.36,673.39 cw(c628.36,744.3) 557.45,744.3 C65.1@557.45,763.76 ; v1(695,-483.61) ccw(c755.85,-483.61) v1@695,-484.32 ; C98.1@717.03,1064.26 C98.1@715.84,1064.26 ; LED15.3@724.14,324.7 ccw(c724.14,353.56) 753,353.56 753,410.12 ccw(c653,410.12) 743.1,453.51 ; C111.1@742.15,-1045.6 C111.1@742.15,-1035.84 ; C67.1@819.03,488.57 812.87,482.41 cw(c743.1,552.19) 743.1,453.51 ; C99.1@870.92,944.21 ccw(c870.92,928.29) 